# KiCad board v2_1.kicad_pcb
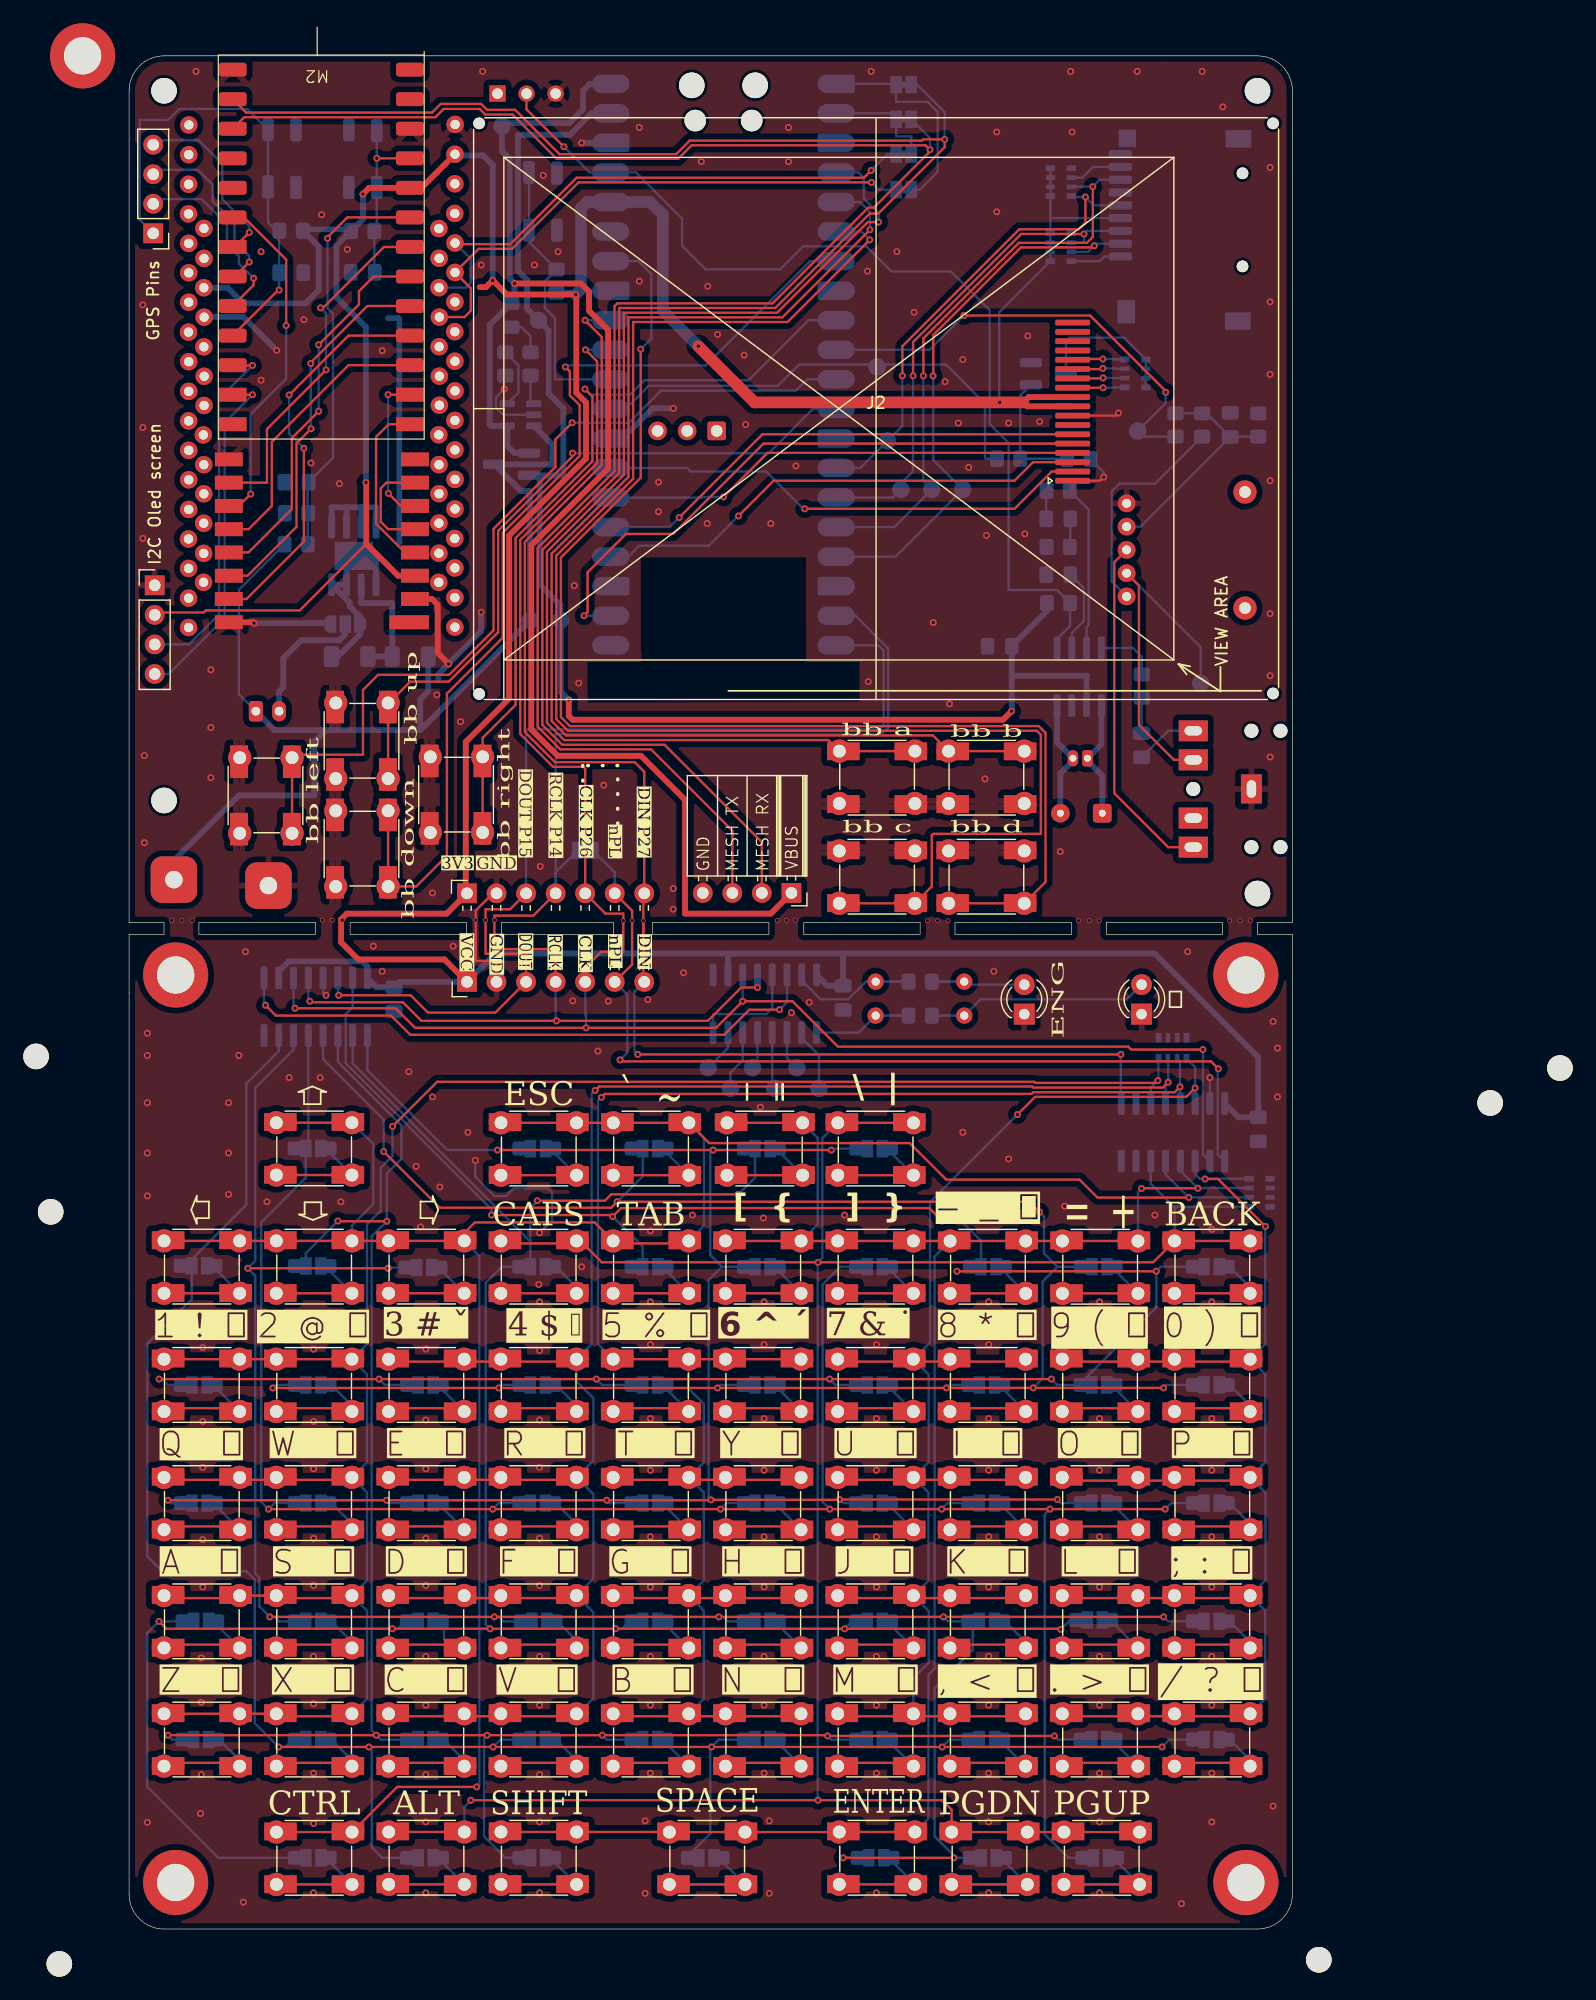
[diagram p0: board, top side]
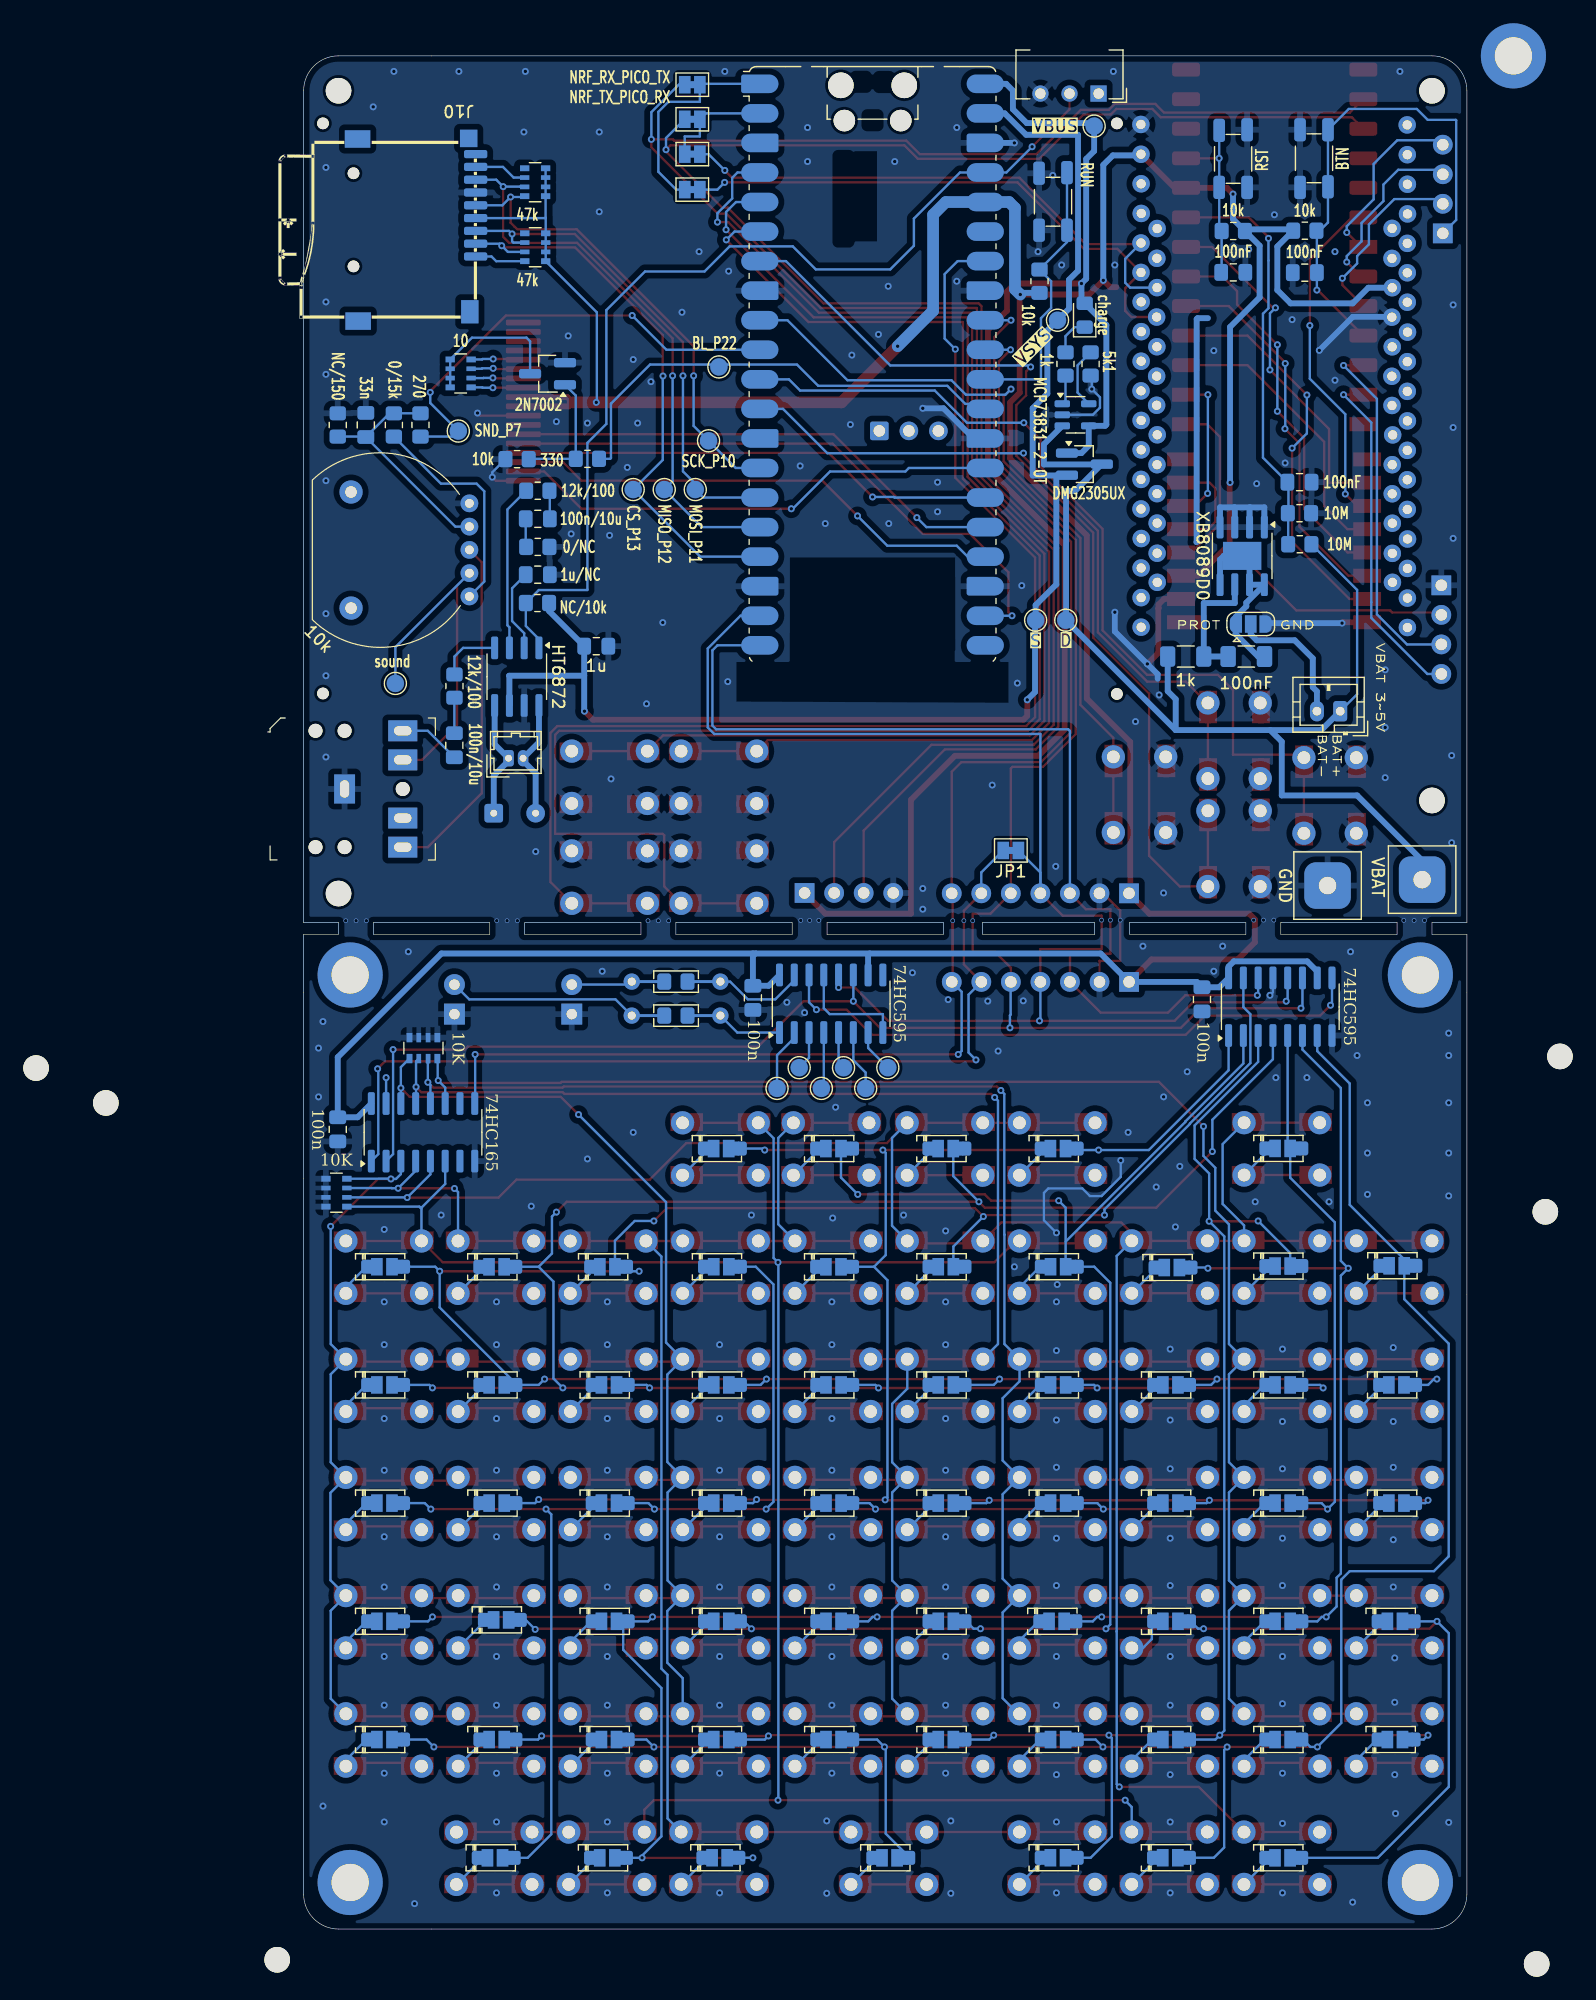
[diagram p1: board, bottom side, seen from below]

Outline 100 x 161 mm; copper layers: Top, Bottom. Coordinates in mm from the lower left corner of the outline.
Outline path: 0,158 arc(0.88,160.12) 3,161 97,161 arc(99.12,160.12) 100,158 100,86.5 97,86.5 97,85.5 100,85.5 100,3 arc(99.12,0.88) 97,0 3,0 arc(0.88,0.88) 0,3 0,85.5 3,85.5 3,86.5 0,86.5 0,158 ; 6,86.5 16,86.5 16,85.5 6,85.5 6,86.5 ; 19,86.5 29,86.5 29,85.5 19,85.5 19,86.5 ; 32,86.5 41.64,86.5 41.64,85.5 32,85.5 32,86.5 ; 45,86.5 55,86.5 55,85.5 45,85.5 45,86.5 ; 58,86.5 68,86.5 68,85.5 58,85.5 58,86.5 ; 71,86.5 81,86.5 81,85.5 71,85.5 71,86.5 ; 84,86.5 94,86.5 94,85.5 84,85.5 84,86.5
Stack: Top 0.035mm / dielectric 1.51mm FR4 er 4.5 / Bottom 0.035mm

## Placement (name value [footprint] x y rotation side)
BT1  Li-Poly PH2.0  [JST_PH_B2B-PH-K_1x02_P2.00mm_Vertical]  10.89 104.67 0 bottom
C1  100n  [C_0805_2012Metric_Pad1.18x1.45mm_HandSolder]  97.07 68.73 270 bottom
C2  100n  [C_0805_2012Metric_Pad1.18x1.45mm_HandSolder]  61.38 80.03 270 bottom
C3  100n  [C_0805_2012Metric_Pad1.18x1.45mm_HandSolder]  22.77 79.91 270 bottom
C4  33n  [C_0805_2012Metric_Pad1.18x1.45mm_HandSolder]  94.65 129.28 90 bottom
C5  100n/10u  [C_0805_2012Metric_Pad1.18x1.45mm_HandSolder]  79.87 121.21 180 bottom
C6  100n/10u  [C_0805_2012Metric_Pad1.18x1.45mm_HandSolder]  87.04 101.75 90 bottom
C7  1u  [C_0805_2012Metric_Pad1.18x1.45mm_HandSolder]  74.84 110.26 180 bottom
C8  1u/NC  [C_0805_2012Metric_Pad1.18x1.45mm_HandSolder]  79.87 116.41 180 bottom
C9  100nF  [C_0805_2012Metric_Pad1.18x1.45mm_HandSolder]  20.08 142.39 180 bottom
C10  100nF  [C_0805_2012Metric_Pad1.18x1.45mm_HandSolder]  13.93 142.37 180 bottom
C11  100nF  [C_0805_2012Metric_Pad1.18x1.45mm_HandSolder]  14.39 124.36 180 bottom
C12  100nF  [C_1206_3216Metric_Pad1.33x1.80mm_HandSolder]  18.96 109.37 0 bottom
D1  1N4148  [D_0805_JUMPER]  6.12 46.77 180 bottom
D2  1N4148  [D_0805_JUMPER]  6.12 36.61 180 bottom
D3  1N4148  [D_0805_JUMPER]  6.25 26.45 180 bottom
D4  1N4148  [D_0805_JUMPER]  6.25 16.29 180 bottom
D5  1N4148  [D_0805_JUMPER]  15.9 46.77 180 bottom
D6  1N4148  [D_0805_JUMPER]  15.9 36.61 180 bottom
D7  1N4148  [D_0805_JUMPER]  15.9 26.45 180 bottom
D8  1N4148  [D_0805_JUMPER]  15.9 16.29 180 bottom
D9  1N4148  [D_0805_JUMPER]  25.56 46.77 180 bottom
D10  1N4148  [D_0805_JUMPER]  25.56 36.61 180 bottom
D11  1N4148  [D_0805_JUMPER]  25.56 26.45 180 bottom
D12  1N4148  [D_0805_JUMPER]  25.56 16.29 180 bottom
D13  1N4148  [D_0805_JUMPER]  35.21 46.77 180 bottom
D14  1N4148  [D_0805_JUMPER]  35.21 36.61 180 bottom
D15  1N4148  [D_0805_JUMPER]  35.33 26.45 180 bottom
D16  1N4148  [D_0805_JUMPER]  35.21 16.29 180 bottom
D17  1N4148  [D_0805_JUMPER]  44.86 46.77 180 bottom
D18  1N4148  [D_0805_JUMPER]  44.86 36.61 180 bottom
D19  1N4148  [D_0805_JUMPER]  44.86 26.45 180 bottom
D20  1N4148  [D_0805_JUMPER]  44.86 16.29 180 bottom
D21  1N4148  [D_0805_JUMPER]  54.51 46.77 180 bottom
D22  1N4148  [D_0805_JUMPER]  54.51 36.61 180 bottom
D23  1N4148  [D_0805_JUMPER]  54.51 26.45 180 bottom
D24  1N4148  [D_0805_JUMPER]  54.51 16.29 180 bottom
D25  1N4148  [D_0805_JUMPER]  64.16 46.77 180 bottom
D26  1N4148  [D_0805_JUMPER]  64.16 36.61 180 bottom
D27  1N4148  [D_0805_JUMPER]  64.16 26.45 180 bottom
D28  1N4148  [D_0805_JUMPER]  64.16 16.29 180 bottom
D29  1N4148  [D_0805_JUMPER]  73.82 46.77 180 bottom
D30  1N4148  [D_0805_JUMPER]  73.82 36.61 180 bottom
D31  1N4148  [D_0805_JUMPER]  73.82 26.45 180 bottom
D32  1N4148  [D_0805_JUMPER]  73.82 16.29 180 bottom
D33  1N4148  [D_0805_JUMPER]  83.47 46.77 180 bottom
D34  1N4148  [D_0805_JUMPER]  83.47 36.61 180 bottom
D35  1N4148  [D_0805_JUMPER]  83.09 26.57 180 bottom
D36  1N4148  [D_0805_JUMPER]  83.47 16.29 180 bottom
D37  1N4148  [D_0805_JUMPER]  93.12 46.77 180 bottom
D38  1N4148  [D_0805_JUMPER]  93.12 36.61 180 bottom
D39  1N4148  [D_0805_JUMPER]  93.12 26.45 180 bottom
D40  1N4148  [D_0805_JUMPER]  93.12 16.29 180 bottom
D41  1N4148  [D_0805_JUMPER]  73.95 56.92 180 bottom
D42  1N4148  [D_0805_JUMPER]  54.52 56.92 180 bottom
D43  1N4148  [D_0805_JUMPER]  54.52 67.08 180 bottom
D44  1N4148  [D_0805_JUMPER]  35.22 6.13 180 bottom
D45  1N4148  [D_0805_JUMPER]  83.48 56.92 180 bottom
D46  1N4148  [D_0805_JUMPER]  64.16 56.93 180 bottom
D47  1N4148  [D_0805_JUMPER]  64.3 6.13 180 bottom
D48  1N4148  [D_0805_JUMPER]  49.69 6.12 180 bottom
D49  1N4148  [D_0805_JUMPER]  44.87 67.08 180 bottom
D50  1N4148  [D_0805_JUMPER]  44.86 56.93 180 bottom
D51  1N4148  [D_0805_JUMPER]  35.21 56.93 180 bottom
D52  1N4148  [D_0805_JUMPER]  15.91 6.12 180 bottom
D53  1N4148  [D_0805_JUMPER]  25.56 6.13 180 bottom
D54  1N4148  [D_0805_JUMPER]  93.12 56.93 180 bottom
D55  1N4148  [D_0805_JUMPER]  64.17 67.08 180 bottom
D56  1N4148  [D_0805_JUMPER]  83.61 6.12 180 bottom
D57  1N4148  [D_0805_JUMPER]  73.96 6.12 180 bottom
D58  1N4148  [D_0805_JUMPER]  15.9 67.09 180 bottom
D59  1N4148  [D_0805_JUMPER]  15.9 56.98 180 bottom
D60  1N4148  [D_0805_JUMPER]  6.1 57.01 180 bottom
D61  1N4148  [D_0805_JUMPER]  25.43 56.86 180 bottom
D62  1N4148  [D_0805_JUMPER]  35.22 67.08 180 bottom
D63  ㄅ  [LED_D3.0mm_Clear]  87.03 78.64 90 top
D64  ENG  [LED_D3.0mm_Clear]  76.95 78.64 90 top
D65  charge  [LED_0805_2012Metric_Pad1.15x1.40mm_HandSolder]  32.85 138.71 90 bottom
J1  Conn_01x07  [PinHeader_1x07_P2.54mm_Horizontal]  29.04 81.41 90 top
J2  STP0280A1-240320-18P  [STP0280A1-240320]  64.21 130.68 0 top
J3  KEYBOARD  [PinSocket_1x07_P2.54mm_Horizontal]  29.04 89.02 90 top
J4  UART  [PinSocket_1x04_P2.54mm_Horizontal]  56.93 89.05 270 top
J5  I2C Oled screen  [PinHeader_1x04_P2.54mm_Vertical]  2.2 115.49 0 top
J6  AudioJack3_SwitchTR  [audiojack-3.5mm-5p]  91.48 97.99 180 bottom
J7  speaker  [SolderWire-0.1sqmm_1x02_P3.6mm_D0.4mm_OD1mm]  83.65 95.91 180 bottom
J8  speaker  [Hirose_DF13-02P-1.25DSA_1x02_P1.25mm_Vertical]  82.38 100.63 180 bottom
J9  GPS Pins  [PinHeader_1x04_P2.54mm_Vertical]  2.07 145.74 180 top
J10  Micro_SD_Card  [sd-card]  84.16 155.25 0 bottom
JP1  SolderJumper_2_Bridged  [SolderJumper-2_P1.3mm_Bridged_Pad1.0x1.5mm]  39.2 92.7 0 bottom
JP2  NRF_RX_PICO_TX  [SolderJumper-2_P1.3mm_Bridged_Pad1.0x1.5mm]  66.59 158.52 0 bottom
JP3  NRF_TX_PICO_RX  [SolderJumper-2_P1.3mm_Bridged_Pad1.0x1.5mm]  66.59 155.55 0 bottom
JP4  Jumper_3_Open  [SolderJumper-3_P1.3mm_Open_RoundedPad1.0x1.5mm]  18.58 112.17 180 bottom
JP5  ESP32_RX_PICO_TX  [SolderJumper-2_P1.3mm_Bridged_Pad1.0x1.5mm#2]  66.59 149.5 180 bottom
JP6  ESP32_TX_PICO_RX  [SolderJumper-2_P1.3mm_Bridged_Pad1.0x1.5mm#2]  66.59 152.55 180 bottom
M1  HT-RA62_/_RA-01SH_LoRa_radio  [HT-RA62  RA-01SH LoRa radio]  16.85 126.24 180 top
M2  ProMicro_NRF52840  [ProMicro nrf52840]  16.17 159.76 180 top
M3  ESP32_LORA_V3  [LoRa-ESP32-V3]  16.57 132.1 0 top
M4  T114_V2  [T114]  16.6 129.59 0 top
Q1  2N7002  [SOT-23_Handsoldering]  79.03 133.68 0 bottom
Q2  DMG2305UX  [SOT-23_Handsoldering]  32.88 125.91 180 bottom
R1  R_US  [R_Axial_DIN0204_L3.6mm_D1.6mm_P7.62mm_Horizontal_0805]  64.17 78.51 0 bottom
R2  R_US  [R_Axial_DIN0204_L3.6mm_D1.6mm_P7.62mm_Horizontal_0805]  64.17 81.43 0 bottom
R3  330  [R_0805_2012Metric_Pad1.20x1.40mm_HandSolder]  75.6 126.36 180 bottom
R4  10k  [R_0805_2012Metric_Pad1.20x1.40mm_HandSolder]  81.65 126.34 180 bottom
R5  5k1  [R_0805_2012Metric_Pad1.20x1.40mm_HandSolder]  32.35 134.52 270 bottom
R6  1k  [R_0805_2012Metric_Pad1.20x1.40mm_HandSolder]  34.51 134.52 270 bottom
R7  10k  [R_0805_2012Metric_Pad1.20x1.40mm_HandSolder]  36.74 141.63 270 bottom
R8  270  [R_0805_2012Metric_Pad1.20x1.40mm_HandSolder]  89.95 129.28 90 bottom
R9  NC/150  [R_0805_2012Metric_Pad1.20x1.40mm_HandSolder]  97.07 129.28 90 bottom
R10  0/15k  [R_0805_2012Metric_Pad1.20x1.40mm_HandSolder]  92.24 129.28 90 bottom
R11  0/NC  [R_0805_2012Metric_Pad1.20x1.40mm_HandSolder]  79.87 118.79 0 bottom
R12  12k/100  [R_0805_2012Metric_Pad1.20x1.40mm_HandSolder]  79.87 123.62 0 bottom
R13  12k/100  [R_0805_2012Metric_Pad1.20x1.40mm_HandSolder]  87.03 106.83 90 bottom
R14  NC/10k  [R_0805_2012Metric_Pad1.20x1.40mm_HandSolder]  79.9 113.97 180 bottom
R15  10k  [R_0805_2012Metric_Pad1.20x1.40mm_HandSolder]  20.08 145.95 0 bottom
R16  10M  [R_0805_2012Metric_Pad1.20x1.40mm_HandSolder]  14.36 119.02 180 bottom
R17  10M  [R_0805_2012Metric_Pad1.20x1.40mm_HandSolder]  14.39 121.69 180 bottom
R18  10k  [R_0805_2012Metric_Pad1.20x1.40mm_HandSolder]  13.93 145.97 0 bottom
R19  1k  [R_1206_3216Metric_Pad1.30x1.75mm_HandSolder]  24.17 109.37 0 bottom
REF**  -  [MountingHole_2.2mm_M2_DIN965]  97 158 0 top
REF**#2  -  [MountingHole_2.2mm_M2_DIN965]  -6 -3 0 top
REF**#3  -  [MountingHole_3.2mm_M3_DIN965_Pad]  4 82 0 top
REF**#4  -  [MountingHole_2.2mm_M2_DIN965]  -6.74 61.64 0 top
REF**#5  -  [MountingHole_3.2mm_M3_DIN965_Pad]  4 4 0 top
REF**#6  -  [MountingHole_2.2mm_M2_DIN965]  102.27 -2.64 0 top
REF**#7  -  [MountingHole_2.2mm_M2_DIN965]  123 74 0 top
REF**#8  -  [MountingHole_3.2mm_M3_DIN965_Pad]  96 82 0 top
REF**#9  -  [MountingHole_2.2mm_M2_DIN965]  3 97 0 top
REF**#10  -  [MountingHole_3.2mm_M3_DIN965_Pad]  96 4 0 top
REF**#11  -  [MountingHole_3.2mm_M3_DIN965_Pad]  -4 161 0 top
REF**#12  -  [MountingHole_2.2mm_M2_DIN965]  97 89 0 top
REF**#13  -  [MountingHole_2.2mm_M2_DIN965]  -8 75 0 top
REF**#14  -  [MountingHole_2.2mm_M2_DIN965]  117 71 0 top
REF**#15  -  [MountingHole_2.2mm_M2_DIN965]  3 158 0 top
RN1  10K  [R_Array_Convex_4x0603]  89.7 75.72 270 bottom
RN2  10K  [R_Array_Convex_4x0603]  97.18 63.29 180 bottom
RN3  10  [R_Array_Convex_4x0603]  86.5 133.7 0 bottom
RN4  47k  [R_Array_Convex_4x0603]  80.09 144.55 180 bottom
RN5  47k  [R_Array_Convex_4x0603]  80.1 150.14 180 bottom
RV1  10k  [potentiometre disk 5pin]  85.75 118.54 90 bottom
SW1  1 ! ㄅ  [SW_Push_1P1T_NO_CK_KSC7xxJ]  6.25 46.77 0 top
SW2  Q  ㄆ  [SW_Push_1P1T_NO_CK_KSC7xxJ]  6.25 36.61 0 top
SW3  A  ㄇ  [SW_Push_1P1T_NO_CK_KSC7xxJ]  6.25 26.45 0 top
SW4  Z  ㄈ  [SW_Push_1P1T_NO_CK_KSC7xxJ]  6.25 16.29 0 top
SW5  2 @ ㄉ  [SW_Push_1P1T_NO_CK_KSC7xxJ]  15.9 46.77 0 top
SW6  W  ㄊ  [SW_Push_1P1T_NO_CK_KSC7xxJ]  15.9 36.61 0 top
SW7  S  ㄋ  [SW_Push_1P1T_NO_CK_KSC7xxJ]  15.9 26.45 0 top
SW8  X  ㄌ  [SW_Push_1P1T_NO_CK_KSC7xxJ]  15.9 16.29 0 top
SW9  3 # ˇ  [SW_Push_1P1T_NO_CK_KSC7xxJ]  25.56 46.77 0 top
SW10  E  ㄍ  [SW_Push_1P1T_NO_CK_KSC7xxJ]  25.56 36.61 0 top
SW11  D  ㄎ  [SW_Push_1P1T_NO_CK_KSC7xxJ]  25.56 26.45 0 top
SW12  C  ㄏ  [SW_Push_1P1T_NO_CK_KSC7xxJ]  25.56 16.29 0 top
SW13  4 $ ˋ  [SW_Push_1P1T_NO_CK_KSC7xxJ]  35.21 46.77 0 top
SW14  R  ㄐ  [SW_Push_1P1T_NO_CK_KSC7xxJ]  35.21 36.61 0 top
SW15  F  ㄑ  [SW_Push_1P1T_NO_CK_KSC7xxJ]  35.21 26.45 0 top
SW16  V  ㄒ  [SW_Push_1P1T_NO_CK_KSC7xxJ]  35.21 16.29 0 top
SW17  5 % ㄓ  [SW_Push_1P1T_NO_CK_KSC7xxJ]  44.86 46.77 0 top
SW18  T  ㄔ  [SW_Push_1P1T_NO_CK_KSC7xxJ]  44.86 36.61 0 top
SW19  G  ㄕ  [SW_Push_1P1T_NO_CK_KSC7xxJ]  44.86 26.45 0 top
SW20  B  ㄖ  [SW_Push_1P1T_NO_CK_KSC7xxJ]  44.86 16.29 0 top
SW21  6 ^ ˊ  [SW_Push_1P1T_NO_CK_KSC7xxJ]  54.51 46.77 0 top
SW22  Y  ㄗ  [SW_Push_1P1T_NO_CK_KSC7xxJ]  54.51 36.61 0 top
SW23  H  ㄘ  [SW_Push_1P1T_NO_CK_KSC7xxJ]  54.51 26.45 0 top
SW24  N  ㄙ  [SW_Push_1P1T_NO_CK_KSC7xxJ]  54.51 16.29 0 top
SW25  7 & ˙  [SW_Push_1P1T_NO_CK_KSC7xxJ]  64.16 46.77 0 top
SW26  U  ㄧ  [SW_Push_1P1T_NO_CK_KSC7xxJ]  64.16 36.61 0 top
SW27  J  ㄨ  [SW_Push_1P1T_NO_CK_KSC7xxJ]  64.16 26.45 0 top
SW28  M  ㄩ  [SW_Push_1P1T_NO_CK_KSC7xxJ]  64.16 16.29 0 top
SW29  8 * ㄚ  [SW_Push_1P1T_NO_CK_KSC7xxJ]  73.82 46.77 0 top
SW30  I  ㄛ  [SW_Push_1P1T_NO_CK_KSC7xxJ]  73.82 36.61 0 top
SW31  K  ㄜ  [SW_Push_1P1T_NO_CK_KSC7xxJ]  73.82 26.45 0 top
SW32  , < ㄝ  [SW_Push_1P1T_NO_CK_KSC7xxJ]  73.82 16.29 0 top
SW33  9 ( ㄞ  [SW_Push_1P1T_NO_CK_KSC7xxJ]  83.47 46.77 0 top
SW34  O  ㄟ  [SW_Push_1P1T_NO_CK_KSC7xxJ]  83.47 36.61 0 top
SW35  L  ㄠ  [SW_Push_1P1T_NO_CK_KSC7xxJ]  83.47 26.45 0 top
SW36  . > ㄡ  [SW_Push_1P1T_NO_CK_KSC7xxJ]  83.47 16.29 0 top
SW37  0 ) ㄢ  [SW_Push_1P1T_NO_CK_KSC7xxJ]  93.12 46.77 0 top
SW38  P  ㄣ  [SW_Push_1P1T_NO_CK_KSC7xxJ]  93.12 36.61 0 top
SW39  ; : ㄤ  [SW_Push_1P1T_NO_CK_KSC7xxJ]  93.12 26.45 0 top
SW40  / ? ㄥ  [SW_Push_1P1T_NO_CK_KSC7xxJ]  93.12 16.29 0 top
SW41  - _ ㄦ  [SW_Push_1P1T_NO_CK_KSC7xxJ]  73.83 56.92 0 top
SW42  [  {  [SW_Push_1P1T_NO_CK_KSC7xxJ]  54.51 56.93 0 top
SW43  '  "  [SW_Push_1P1T_NO_CK_KSC7xxJ]  54.65 67.08 0 top
SW44  SHIFT  [SW_Push_1P1T_NO_CK_KSC7xxJ]  35.22 6.13 0 top
SW45  =  +  [SW_Push_1P1T_NO_CK_KSC7xxJ]  83.48 56.92 0 top
SW46  ]  }  [SW_Push_1P1T_NO_CK_KSC7xxJ]  64.16 56.93 0 top
SW47  ENTER  [SW_Push_1P1T_NO_CK_KSC7xxJ]  64.3 6.13 0 top
SW48  SPACE  [SW_Push_1P1T_NO_CK_KSC7xxJ]  49.69 6.12 0 top
SW49  `  ~  [SW_Push_1P1T_NO_CK_KSC7xxJ]  44.87 67.08 0 top
SW50  TAB  [SW_Push_1P1T_NO_CK_KSC7xxJ]  44.86 56.93 0 top
SW51  CAPS  [SW_Push_1P1T_NO_CK_KSC7xxJ]  35.21 56.93 0 top
SW52  CTRL  [SW_Push_1P1T_NO_CK_KSC7xxJ]  15.91 6.12 0 top
SW53  ALT  [SW_Push_1P1T_NO_CK_KSC7xxJ]  25.56 6.13 0 top
SW54  BACK  [SW_Push_1P1T_NO_CK_KSC7xxJ]  93.12 56.93 0 top
SW55  \  |  [SW_Push_1P1T_NO_CK_KSC7xxJ]  64.17 67.08 0 top
SW56  PGUP  [SW_Push_1P1T_NO_CK_KSC7xxJ]  83.61 6.12 0 top
SW57  PGDN  [SW_Push_1P1T_NO_CK_KSC7xxJ]  73.96 6.12 0 top
SW58  ⇧  [SW_Push_1P1T_NO_CK_KSC7xxJ]  15.9 67.09 0 top
SW59  ⇩  [SW_Push_1P1T_NO_CK_KSC7xxJ]  15.9 56.93 0 top
SW60  ⇦  [SW_Push_1P1T_NO_CK_KSC7xxJ]  6.25 56.93 0 top
SW61  ⇨  [SW_Push_1P1T_NO_CK_KSC7xxJ]  25.56 56.93 0 top
SW62  ESC  [SW_Push_1P1T_NO_CK_KSC7xxJ]  35.22 67.08 0 top
SW63  bb up  [SW_Push_1P1T_NO_CK_KSC7xxJ]  19.98 102.13 90 top
SW64  POWER  [SW_CuK_JS202011AQN_DPDT_Angled]  31.66 157.76 0 bottom
SW65  bb down  [SW_Push_1P1T_NO_CK_KSC7xxJ]  19.98 92.86 90 top
SW66  bb left  [SW_Push_1P1T_NO_CK_KSC7xxJ]  11.72 97.43 90 top
SW67  bb right  [SW_Push_1P1T_NO_CK_KSC7xxJ]  28.11 97.5 90 top
SW68  bb a  [SW_Push_1P1T_NO_CK_KSC7xxJ]  64.3 98.96 180 top
SW69  bb b  [SW_Push_1P1T_NO_CK_KSC7xxJ]  73.7 98.96 180 top
SW70  bb c  [SW_Push_1P1T_NO_CK_KSC7xxJ]  64.3 90.45 0 top
SW71  bb d  [SW_Push_1P1T_NO_CK_KSC7xxJ]  73.7 90.45 0 top
SW72  RUN  [skrp]  37.38 150.01 270 bottom
SW75  RST  [skrp]  21.89 153.69 270 bottom
SW76  BTN  [skrp]  11.34 150.65 90 bottom
TP1  BL_P22  [TestPoint_Pad_D1.5mm]  64.3 134.26 180 bottom
TP2  VBUS  [TestPoint_Pad_D1.5mm]  32.04 154.96 0 bottom
TP3  VSYS  [TestPoint_Pad_D1.5mm]  35.19 138.28 315 bottom
TP4  S  [TestPoint_Pad_D1.5mm]  37.07 112.5 180 bottom
TP5  D  [TestPoint_Pad_D1.5mm]  34.48 112.5 180 bottom
TP6  VBAT  [TestPoint_THTPad_5.0x5.0mm_Drill2.0mm]  3.85 90.19 180 bottom
TP7  GND  [TestPoint_THTPad_5.0x5.0mm_Drill2.0mm]  11.98 89.69 180 bottom
TP8  SND_P7  [TestPoint_Pad_D1.5mm]  86.7 128.75 180 bottom
TP9  sound  [TestPoint_Pad_D1.5mm]  92.11 107.06 180 bottom
TP10  Q2  [TestPoint_Pad_D1.5mm]  59.3 72.25 180 bottom
TP11  Q3  [TestPoint_Pad_D1.5mm]  57.4 74.03 180 bottom
TP12  Q4  [TestPoint_Pad_D1.5mm]  55.49 72.25 180 bottom
TP13  Q5  [TestPoint_Pad_D1.5mm]  53.59 74.03 180 bottom
TP14  Q6  [TestPoint_Pad_D1.5mm]  51.68 72.25 180 bottom
TP15  Q2  [TestPoint_Pad_D1.5mm]  49.78 74.03 180 bottom
TP16  MOSI_P11  [TestPoint_Pad_D1.5mm]  66.33 123.72 180 bottom
TP17  MISO_P12  [TestPoint_Pad_D1.5mm]  69 123.72 180 bottom
TP18  CS_P13  [TestPoint_Pad_D1.5mm]  71.67 123.72 180 bottom
TP19  SCK_P10  [TestPoint_Pad_D1.5mm]  65.19 127.91 180 bottom
U1  74HC595  [SOIC-16_3.9x9.9mm_P1.27mm]  16.04 79.27 90 bottom
U2  74HC165  [SOIC-16_3.9x9.9mm_P1.27mm]  89.73 68.48 90 bottom
U3  Pico  [RaspberryPi_Pico_W_SMD_HandSolder]  51.09 134.47 180 bottom
U4  74HC595  [SOIC-16_3.9x9.9mm_P1.27mm]  54.65 79.53 90 bottom
U5  MCP73831-2-OT  [SOT-23-5]  33.64 130.15 180 bottom
U6  HT6872  [SOIC-8_3.9x4.9mm_P1.27mm]  81.67 107.64 270 bottom
U7  XB8089D0  [SOIC-8-1EP_3.9x4.9mm_P1.27mm_EP2.41x3.3mm]  19.32 118.02 270 bottom

## Library data of the parts
BT1 J7 J8 = -: ki_fp_filters: Connector*:*_1x??_*
C1-C3 C9-C12 = -: Description: Unpolarized capacitor; ki_fp_filters: C_*
C4-C8 = -: ki_fp_filters: C_*
D1-D62 = -: Datasheet: https://assets.nexperia.com/documents/data-sheet/1N4148_1N4448.pdf; Description: 100V 0.15A standard switching diode, DO-35; Sim.Device: D; Sim.Pins: 1=K 2=A; ki_fp_filters: D*DO?35*
D63 D64 = -: Description: Light emitting diode; ki_fp_filters: LED* LED_SMD:* LED_THT:*
D65 = -: ki_fp_filters: LED* LED_SMD:* LED_THT:*
J1 = -: Description: Generic connector, single row, 01x07, script generated (kicad-library-utils/schlib/autogen/connector/); ki_fp_filters: Connector*:*_1x??_*
J2 = -: Description: Generic connector, single row, 01x18, script generated (kicad-library-utils/schlib/autogen/connector/); Field4: 2.8 NO TOUCH ILI9341; ki_fp_filters: Connector*:*_1x??_*
J3 = -: Description: Generic connector, single row, 01x07, script generated; ki_fp_filters: Connector*:*_1x??_*
J4 J5 J9 = -: Description: Generic connector, single row, 01x04, script generated; ki_fp_filters: Connector*:*_1x??_*
J6 = -: ki_fp_filters: Jack*
J10 = -: Datasheet: https://datasheet.lcsc.com/lcsc/1912111437_SHOU-HAN-TF-PUSH_C393941.pdf; ki_fp_filters: microSD*
JP1-JP3 JP5 JP6 = -: Description: Solder Jumper, 2-pole, closed/bridged; ki_fp_filters: SolderJumper*Bridged*
JP4 = -: Description: Jumper, 3-pole, both open; ki_fp_filters: Jumper* TestPoint*3Pads* TestPoint*Bridge*
Q1 = -: Datasheet: https://www.onsemi.com/pub/Collateral/NDS7002A-D.PDF; ki_fp_filters: SOT?23*
Q2 = -: Datasheet: https://datasheet.lcsc.com/lcsc/2201241630_TECH-PUBLIC-DMG2305UX_C2940629.pdf
R1 R2 = -: Description: Resistor, US symbol; ki_fp_filters: R_*
R3-R14 = -: ki_fp_filters: R_*
R15-R19 = -: Description: Resistor; ki_fp_filters: R_*
RN1 RN2 = -: Description: 4 resistor network, parallel topology; ki_fp_filters: DIP* SOIC* R*Array*Concave* R*Array*Convex* MSOP*
RN3-RN5 = -: ki_fp_filters: DIP* SOIC* R*Array*Concave* R*Array*Convex* MSOP*
RV1 = -: ki_fp_filters: Potentiometer*
SW1-SW63 SW65-SW71 = -: Description: Single Pole Single Throw (SPST) switch
SW72 SW75 SW76 = -: Datasheet: http://www.apem.com/int/index.php?controller=attachment&id_attachment=1371; ki_fp_filters: SW*MEC*5G*
TP1-TP19 = -: ki_fp_filters: Pin* Test*
U1 U4 = -: Datasheet: http://www.ti.com/lit/ds/symlink/sn74hc595.pdf; Description: 8-bit serial in/out Shift Register 3-State Outputs; ki_fp_filters: DIP*W7.62mm* SOIC*3.9x9.9mm*P1.27mm* TSSOP*4.4x5mm*P0.65mm* SOIC*5.3x10.2mm*P1.27mm* SOIC*7.5x10.3mm*P1.27mm*
U2 = -: Datasheet: https://assets.nexperia.com/documents/data-sheet/74HC_HCT165.pdf; Description: Shift Register, 8-bit, Parallel Load; ki_fp_filters: DIP?16* SO*16*3.9x9.9mm*P1.27mm* SSOP*16*5.3x6.2mm*P0.65mm* TSSOP*16*4.4x5mm*P0.65*
U5 = -: Datasheet: http://ww1.microchip.com/downloads/en/DeviceDoc/20001984g.pdf; ki_fp_filters: SOT?23*
U6 = -: Datasheet: http://www.szczkjgs.com/UploadFiles/fujian/3706/HT6872.pdf; ki_fp_filters: MSOP*3x3mm*P0.65mm* SOIC*3.9x4.9mm*P1.27mm*
U7 = -: Datasheet: https://www.lcsc.com/datasheet/lcsc_datasheet_2410121637_XySemi-XB8089D0_C2760005.pdf; Description: 2.9V~6V Lithium-ion/Polymer 1 SOP-8-EP Battery Management ROHS; ki_fp_filters: MSOP*1EP*3x3mm*P0.65mm*
